# EAGLE board Mk4 Final a Panel score 2x5 (EAGLE 9.0.1), part 8 of 29
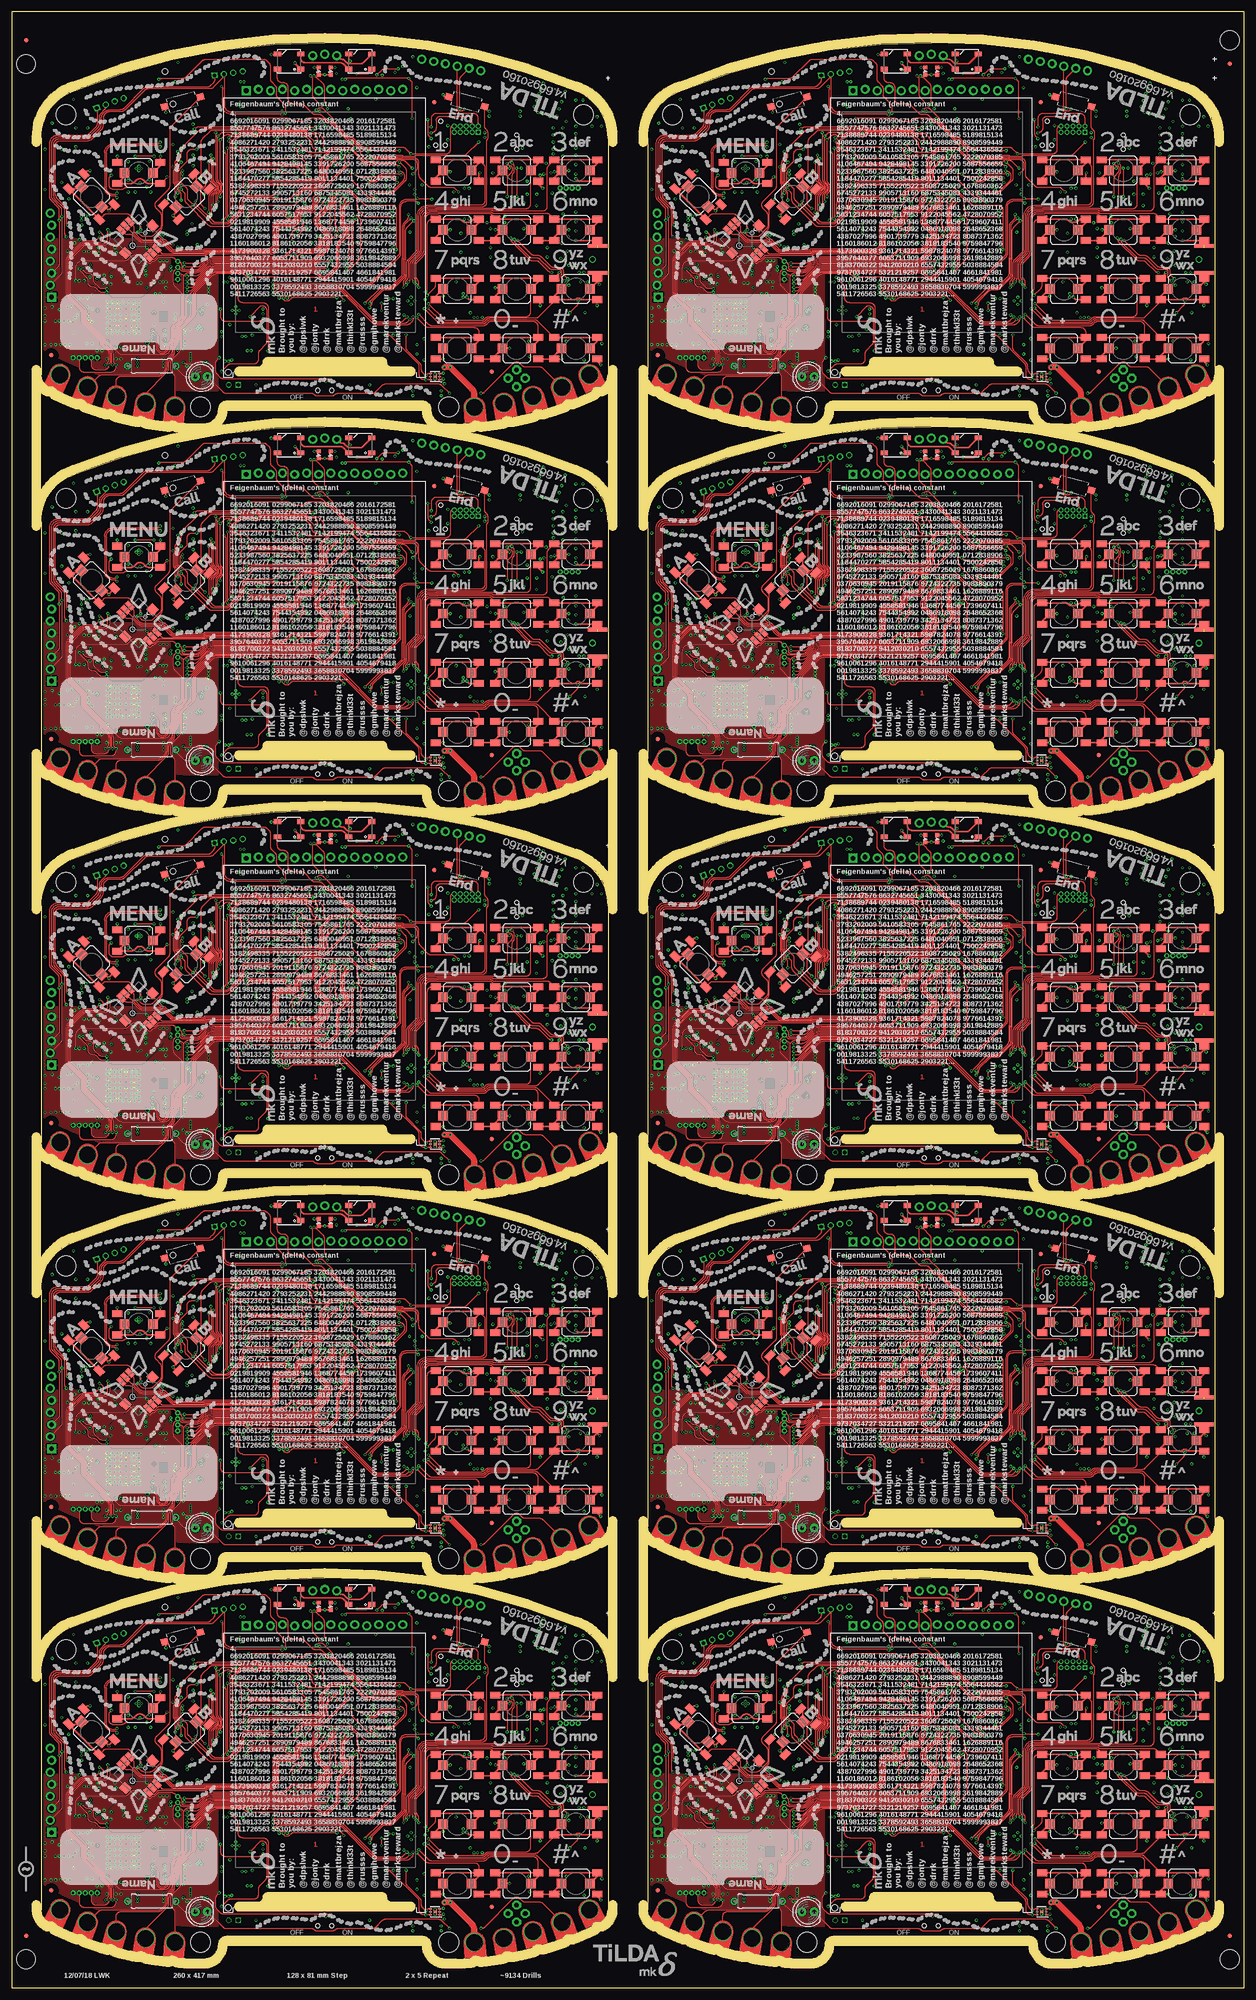
[diagram p0: board, top side]
## Tracks (layer width: path | path; a pad name or v marks a point on that pad's centre or on a via) (continued)
3V7  (via drill 0.3) (continued)
  Bottom 0.25: J61.41 58.25,287 | J61.40 58.75,286.29 arc45 58.6,286.65 58.25,287 | J61.42 57.75,286.29 arc-45 57.9,286.65 58.25,287 | J61.35 v61.25,284.5 | J61.1 v78.25,284.5 | J61.8 v74.75,287 | J61.7 75.25,286.5 v74.75,287 | J61.9 74.25,286.5 v74.75,287 | C663.2 69.25,291.12 C664.2 69.5,290.62 v69.5,289.75 | v56,301.1 C660.2 | v76.25,302.75 C659.2 | v65,312 C661.2 | R478.2 v65,315 | R479.2 v56,309.25 | C737.1 26.16,277.5 arc45 25.46,277.21 arc45 25.25,276.71 IC119.44 | IC119.39 22.75,278.55 C738.1 | IC119.37 21.75,278.35 C736.1 | C739.1 v22,265.25 22.46,265.71 arc45 22.75,266.41 IC119.10 | C740.1 v30,272.5 29.9,272.6 arc45 29.54,272.75 IC119.54 | IC121.21 C671.2 | v80,279.3 R542.2 | JP57.8 68.35,320.71 arc45 68.5,321.06 C653.2 | IC118.6 27.12,300.02 v27.05,299.95 C725.1
  Bottom 0.3: 27.22,276.75 26.75,276.28 | R541.2 v15.25,279.25 | JP55.1 91.63,311.63 v92,312 | IC117.14 100.81,308.44 R524.2 C712.2 v99.75,309.5 | IC112.8 75.35,295.15 C652.2 v75.25,296 | R484.1 v84,289.5 | C678.2 48.43,291.25 IC109.27 48.33,291.25 v47.25,291.25 | v38.25,303.5 arc-45 37.77,303.3 IC109.43 35.8,303.3 C674.2 | v38.25,308 38.15,308.1 IC109.49 35.85,308.1 C677.2 | v47.25,310.5 IC109.3 C672.2 | v47.25,312.25 47.4,312.1 IC109.1 49.65,312.1 C676.2 | v47.25,305.75 47.3,305.7 IC109.9 49.7,305.7 C673.2 | v47.25,301.75 47.3,301.7 IC109.14 49.7,301.7 C675.2 | C693.2 v32,283.5 | C693.2 32.75,284 v32.75,283.5 | C693.2 31.25,284 v31.25,283.5 | v85,298.5 R518.2 | C751.1 R528.1 | R494.2 R493.2 v51.3,297.75 | C736.1 v20.85,278.5 | C654.2 74.89,317.61 JP57.11 | v86.6,299.45 C711.2 86.03,299.73 IC116.8 | J66.7 J66.3 | J68.7 J68.3 | IC125.5 C755.1 v84.6,256
  Bottom 0.4: 27.22,276.75 28.19,276.75 arc45 28.89,277.04 C741.1 29.6,278.39 arc-45 29.75,278.75 v30,279 | v27.25,278.75 27.25,278.66 arc-45 26.96,277.96 26.7,277.7 C737.1 26.5,277.7 v26.5,278.75 | C738.1 23.1,278.7 v23.65,279.25 | v32.25,268.75 R536.2 | v32.25,266.75 R537.2 | v22,285.15 22.5,285.15 arc90 23.5,286.15 C726.2 23.5,286.53 arc45 23.21,287.24 IC120.8 | R535.2 v18.25,286.25 | v80.5,275.5 C671.2 | v34.95,264.6 R528.1 | C694.2 v26.5,262 | C694.2 27,262.75 v26.5,262.75 | C694.2 27,261.25 v26.5,261.25 | IC126.1 93.05,259 C756.1 91.96,259 arc45 91.26,258.71 v91.05,258.5 | TP130.TP 39.55,270.95 v39.55,269.65
  Bottom 0.5: C655.2 83.14,319 JP57.14
  other vias: 58.5,290.25 39.15,269.15 39.95,269.15 40.3,273.35 40,272.35 39.7,272.95
  pour 3V3@2 (isolate 0.254, rank 6): 6.2,311.5 6.2,258 arc31 38,249 40.7,249 arc90 43.5,251.8 arc-90 45.5,253.8 86.5,253.8 arc-90 88.5,251.8 arc90 91.3,249 94,249 arc31 125.8,258 125.8,281.5 119.5,281.5 119.5,311.5 125.8,311.5 arc64 119.25,319.25 arc24 66,329.5 arc24 12.75,319.25 arc55
  pour Bottom (no thermals): 58.25,289 58.25,290.3 58.45,290.5 58.8,290.5 59,290.3 59,288.75 58.5,288.25 58.5,286.75 58,286.75 58,288.75
  pour Bottom (no thermals): 42.3,264.65 40.75,264.65 40.35,265.05 arc45 39.99,265.2 38.85,265.2 38.85,272.39 arc-45 39,272.75 39.85,273.6 arc-45 40.21,273.75 40.25,273.75 arc-90 40.75,273.25 40.75,273.11 arc-45 40.6,272.75 40.45,272.6 arc45 40.3,272.24 40.3,266.4 arc90 40.8,265.9 41.8,265.9 arc-90 42.3,265.4
  pour Top: 30.35,283.85 28.65,282.15 arc-45 28.29,282 22.41,282 arc45 21.71,281.71 20.79,280.79 arc45 20.5,280.09 20.5,277 arc90 21.5,276 27.09,276 arc45 27.79,276.29 31.71,280.21 arc45 32,280.91 32,281.29 arc-45 32.15,281.65 33.35,282.85 arc45 33.5,283.21 33.5,283.5 arc90 33,284 30.71,284 arc45
3V8  (via drill 0.3)
  Top 0.2: IC142.1 218.69,258.35 arc45 v219.05,258.5
  Top 0.3: SW8.COM 157.58,285.17 v156.5,286.25
  Bottom 0.15: v208.5,267.75 C858.1 208,268.5 arc-90 207.5,269 207.5,269.16 arc-90 IC140.5
  Bottom 0.2: IC128.9 197,292.75 C771.2 | IC128.8 197.4,295.19 arc-45 197.55,295.55 v197.75,295.75 197.8,295.7 IC128.7 | IC128.16 194.2,293.01 arc45 194.35,292.65 C770.2 v194.5,291.75 | IC128.47 185.46,301.4 arc45 C768.2 | IC128.113 202.14,301.8 arc45 202.84,302.09 C767.2 | IC128.79 193.4,310.44 arc45 193.11,311.14 C769.2 | IC128.69 189.4,308.86 arc-45 v189.25,308.5 189.15,308.6 arc-45 189,308.96 IC128.68 | 154.75,276.28 IC137.47 | IC128.90 197.8,308.55 v197.75,308.5 | IC128.51 v185,303 185.11,303.11 arc-45 185.81,303.4 IC128.52 | IC128.39 v187.5,298.2 | IC128.28 189.4,293.35 arc90 v189.75,293 arc90 190.2,293.45 IC128.26 | R561.1 v201.5,294.5 | IC128.122 200.62,298.2 arc-45 v200.5,298.25 | v219.05,258.5 C860.1 | IC128.101 202.95,306.6 v203.1,306.45 | R574.2 v206.75,296 | R573.2 207.07,298.32 arc-45 v207.5,298.5 | R612.1 142.5,288.5 arc-45 v142.25,287.9
  Bottom 0.25: J71.41 186.25,287 | J71.40 186.75,286.29 arc45 186.6,286.65 186.25,287 | J71.42 185.75,286.29 arc-45 185.9,286.65 186.25,287 | J71.35 v189.25,284.5 | J71.1 v206.25,284.5 | J71.8 v202.75,287 | J71.7 203.25,286.5 v202.75,287 | J71.9 202.25,286.5 v202.75,287 | C771.2 197.25,291.12 C772.2 197.5,290.62 v197.5,289.75 | v184,301.1 C768.2 | v204.25,302.75 C767.2 | v193,312 C769.2 | R556.2 v193,315 | R557.2 v184,309.25 | C845.1 154.16,277.5 arc45 153.46,277.21 arc45 153.25,276.71 IC137.44 | IC137.39 150.75,278.55 C846.1 | IC137.37 149.75,278.35 C844.1 | C847.1 v150,265.25 150.46,265.71 arc45 150.75,266.41 IC137.10 | C848.1 v158,272.5 157.9,272.6 arc45 157.54,272.75 IC137.54 | IC139.21 C779.2 | v208,279.3 R620.2 | JP66.8 196.35,320.71 arc45 196.5,321.06 C761.2 | IC136.6 155.12,300.02 v155.05,299.95 C833.1
  Bottom 0.3: 155.22,276.75 154.75,276.28 | R619.2 v143.25,279.25 | JP64.1 219.63,311.63 v220,312 | IC135.14 228.81,308.44 R602.2 C820.2 v227.75,309.5 | IC130.8 203.35,295.15 C760.2 v203.25,296 | R562.1 v212,289.5 | C786.2 176.43,291.25 IC127.27 176.33,291.25 v175.25,291.25 | v166.25,303.5 arc-45 165.77,303.3 IC127.43 163.8,303.3 C782.2 | v166.25,308 166.15,308.1 IC127.49 163.85,308.1 C785.2 | v175.25,310.5 IC127.3 C780.2 | v175.25,312.25 175.4,312.1 IC127.1 177.65,312.1 C784.2 | v175.25,305.75 175.3,305.7 IC127.9 177.7,305.7 C781.2 | v175.25,301.75 175.3,301.7 IC127.14 177.7,301.7 C783.2 | C801.2 v160,283.5 | C801.2 160.75,284 v160.75,283.5 | C801.2 159.25,284 v159.25,283.5 | v213,298.5 R596.2 | C859.1 R606.1 | R572.2 R571.2 v179.3,297.75 | C844.1 v148.85,278.5 | C762.2 202.89,317.61 JP66.11 | v214.6,299.45 C819.2 214.03,299.73 IC134.8 | J76.7 J76.3 | J78.7 J78.3 | IC143.5 C863.1 v212.6,256
  Bottom 0.4: 155.22,276.75 156.19,276.75 arc45 156.89,277.04 C849.1 157.6,278.39 arc-45 157.75,278.75 v158,279 | v155.25,278.75 155.25,278.66 arc-45 154.96,277.96 154.7,277.7 C845.1 154.5,277.7 v154.5,278.75 | C846.1 151.1,278.7 v151.65,279.25 | v160.25,268.75 R614.2 | v160.25,266.75 R615.2 | v150,285.15 150.5,285.15 arc90 151.5,286.15 C834.2 151.5,286.53 arc45 151.21,287.24 IC138.8 | R613.2 v146.25,286.25 | v208.5,275.5 C779.2 | v162.95,264.6 R606.1 | C802.2 v154.5,262 | C802.2 155,262.75 v154.5,262.75 | C802.2 155,261.25 v154.5,261.25 | IC144.1 221.05,259 C864.1 219.96,259 arc45 219.26,258.71 v219.05,258.5 | TP149.TP 167.55,270.95 v167.55,269.65
  Bottom 0.5: C763.2 211.14,319 JP66.14
  other vias: 186.5,290.25 167.15,269.15 167.95,269.15 168.3,273.35 168,272.35 167.7,272.95
  pour 3V3@2 (isolate 0.254, rank 6): 134.2,311.5 134.2,258 arc31 166,249 168.7,249 arc90 171.5,251.8 arc-90 173.5,253.8 214.5,253.8 arc-90 216.5,251.8 arc90 219.3,249 222,249 arc31 253.8,258 253.8,281.5 247.5,281.5 247.5,311.5 253.8,311.5 arc64 247.25,319.25 arc24 194,329.5 arc24 140.75,319.25 arc55
  pour Bottom (no thermals): 186.25,289 186.25,290.3 186.45,290.5 186.8,290.5 187,290.3 187,288.75 186.5,288.25 186.5,286.75 186,286.75 186,288.75
  pour Bottom (no thermals): 170.3,264.65 168.75,264.65 168.35,265.05 arc45 167.99,265.2 166.85,265.2 166.85,272.39 arc-45 167,272.75 167.85,273.6 arc-45 168.21,273.75 168.25,273.75 arc-90 168.75,273.25 168.75,273.11 arc-45 168.6,272.75 168.45,272.6 arc45 168.3,272.24 168.3,266.4 arc90 168.8,265.9 169.8,265.9 arc-90 170.3,265.4
  pour Top: 158.35,283.85 156.65,282.15 arc-45 156.29,282 150.41,282 arc45 149.71,281.71 148.79,280.79 arc45 148.5,280.09 148.5,277 arc90 149.5,276 155.09,276 arc45 155.79,276.29 159.71,280.21 arc45 160,280.91 160,281.29 arc-45 160.15,281.65 161.35,282.85 arc45 161.5,283.21 161.5,283.5 arc90 161,284 158.71,284 arc45
3V9  (via drill 0.3)
  Top 0.2: IC160.1 90.69,339.35 arc45 v91.05,339.5
  Top 0.3: SW9.COM 29.58,366.17 v28.5,367.25
  Bottom 0.15: v80.5,348.75 C966.1 80,349.5 arc-90 79.5,350 79.5,350.16 arc-90 IC158.5
  Bottom 0.2: IC146.9 69,373.75 C879.2 | IC146.8 69.4,376.19 arc-45 69.55,376.55 v69.75,376.75 69.8,376.7 IC146.7 | IC146.16 66.2,374.01 arc45 66.35,373.65 C878.2 v66.5,372.75 | IC146.47 57.46,382.4 arc45 C876.2 | IC146.113 74.14,382.8 arc45 74.84,383.09 C875.2 | IC146.79 65.4,391.44 arc45 65.11,392.14 C877.2 | IC146.69 61.4,389.86 arc-45 v61.25,389.5 61.15,389.6 arc-45 61,389.96 IC146.68 | 26.75,357.28 IC155.47 | IC146.90 69.8,389.55 v69.75,389.5 | IC146.51 v57,384 57.11,384.11 arc-45 57.81,384.4 IC146.52 | IC146.39 v59.5,379.2 | IC146.28 61.4,374.35 arc90 v61.75,374 arc90 62.2,374.45 IC146.26 | R639.1 v73.5,375.5 | IC146.122 72.62,379.2 arc-45 v72.5,379.25 | v91.05,339.5 C968.1 | IC146.101 74.95,387.6 v75.1,387.45 | R652.2 v78.75,377 | R651.2 79.07,379.32 arc-45 v79.5,379.5 | R690.1 14.5,369.5 arc-45 v14.25,368.9
  Bottom 0.25: J81.41 58.25,368 | J81.40 58.75,367.29 arc45 58.6,367.65 58.25,368 | J81.42 57.75,367.29 arc-45 57.9,367.65 58.25,368 | J81.35 v61.25,365.5 | J81.1 v78.25,365.5 | J81.8 v74.75,368 | J81.7 75.25,367.5 v74.75,368 | J81.9 74.25,367.5 v74.75,368 | C879.2 69.25,372.12 C880.2 69.5,371.62 v69.5,370.75 | v56,382.1 C876.2 | v76.25,383.75 C875.2 | v65,393 C877.2 | R634.2 v65,396 | R635.2 v56,390.25 | C953.1 26.16,358.5 arc45 25.46,358.21 arc45 25.25,357.71 IC155.44 | IC155.39 22.75,359.55 C954.1 | IC155.37 21.75,359.35 C952.1 | C955.1 v22,346.25 22.46,346.71 arc45 22.75,347.41 IC155.10 | C956.1 v30,353.5 29.9,353.6 arc45 29.54,353.75 IC155.54 | IC157.21 C887.2 | v80,360.3 R698.2 | JP75.8 68.35,401.71 arc45 68.5,402.06 C869.2 | IC154.6 27.12,381.02 v27.05,380.95 C941.1
  Bottom 0.3: 27.22,357.75 26.75,357.28 | R697.2 v15.25,360.25 | JP73.1 91.63,392.63 v92,393 | IC153.14 100.81,389.44 R680.2 C928.2 v99.75,390.5 | IC148.8 75.35,376.15 C868.2 v75.25,377 | R640.1 v84,370.5 | C894.2 48.43,372.25 IC145.27 48.33,372.25 v47.25,372.25 | v38.25,384.5 arc-45 37.77,384.3 IC145.43 35.8,384.3 C890.2 | v38.25,389 38.15,389.1 IC145.49 35.85,389.1 C893.2 | v47.25,391.5 IC145.3 C888.2 | v47.25,393.25 47.4,393.1 IC145.1 49.65,393.1 C892.2 | v47.25,386.75 47.3,386.7 IC145.9 49.7,386.7 C889.2 | v47.25,382.75 47.3,382.7 IC145.14 49.7,382.7 C891.2 | C909.2 v32,364.5 | C909.2 32.75,365 v32.75,364.5 | C909.2 31.25,365 v31.25,364.5 | v85,379.5 R674.2 | C967.1 R684.1 | R650.2 R649.2 v51.3,378.75 | C952.1 v20.85,359.5 | C870.2 74.89,398.61 JP75.11 | v86.6,380.45 C927.2 86.03,380.73 IC152.8 | J86.7 J86.3 | J88.7 J88.3 | IC161.5 C971.1 v84.6,337
  Bottom 0.4: 27.22,357.75 28.19,357.75 arc45 28.89,358.04 C957.1 29.6,359.39 arc-45 29.75,359.75 v30,360 | v27.25,359.75 27.25,359.66 arc-45 26.96,358.96 26.7,358.7 C953.1 26.5,358.7 v26.5,359.75 | C954.1 23.1,359.7 v23.65,360.25 | v32.25,349.75 R692.2 | v32.25,347.75 R693.2 | v22,366.15 22.5,366.15 arc90 23.5,367.15 C942.2 23.5,367.53 arc45 23.21,368.24 IC156.8 | R691.2 v18.25,367.25 | v80.5,356.5 C887.2 | v34.95,345.6 R684.1 | C910.2 v26.5,343 | C910.2 27,343.75 v26.5,343.75 | C910.2 27,342.25 v26.5,342.25 | IC162.1 93.05,340 C972.1 91.96,340 arc45 91.26,339.71 v91.05,339.5 | TP168.TP 39.55,351.95 v39.55,350.65
  Bottom 0.5: C871.2 83.14,400 JP75.14
  other vias: 58.5,371.25 39.15,350.15 39.95,350.15 40.3,354.35 40,353.35 39.7,353.95
  pour 3V3@2 (isolate 0.254, rank 6): 6.2,392.5 6.2,339 arc31 38,330 40.7,330 arc90 43.5,332.8 arc-90 45.5,334.8 86.5,334.8 arc-90 88.5,332.8 arc90 91.3,330 94,330 arc31 125.8,339 125.8,362.5 119.5,362.5 119.5,392.5 125.8,392.5 arc64 119.25,400.25 arc24 66,410.5 arc24 12.75,400.25 arc55
  pour Bottom (no thermals): 58.25,370 58.25,371.3 58.45,371.5 58.8,371.5 59,371.3 59,369.75 58.5,369.25 58.5,367.75 58,367.75 58,369.75
  pour Bottom (no thermals): 42.3,345.65 40.75,345.65 40.35,346.05 arc45 39.99,346.2 38.85,346.2 38.85,353.39 arc-45 39,353.75 39.85,354.6 arc-45 40.21,354.75 40.25,354.75 arc-90 40.75,354.25 40.75,354.11 arc-45 40.6,353.75 40.45,353.6 arc45 40.3,353.24 40.3,347.4 arc90 40.8,346.9 41.8,346.9 arc-90 42.3,346.4
  pour Top: 30.35,364.85 28.65,363.15 arc-45 28.29,363 22.41,363 arc45 21.71,362.71 20.79,361.79 arc45 20.5,361.09 20.5,358 arc90 21.5,357 27.09,357 arc45 27.79,357.29 31.71,361.21 arc45 32,361.91 32,362.29 arc-45 32.15,362.65 33.35,363.85 arc45 33.5,364.21 33.5,364.5 arc90 33,365 30.71,365 arc45
3V10  (via drill 0.3)
  Top 0.2: IC178.1 218.69,339.35 arc45 v219.05,339.5
  Top 0.3: SW10.COM 157.58,366.17 v156.5,367.25
  Bottom 0.15: v208.5,348.75 C1074.1 208,349.5 arc-90 207.5,350 207.5,350.16 arc-90 IC176.5
  Bottom 0.2: IC164.9 197,373.75 C987.2 | IC164.8 197.4,376.19 arc-45 197.55,376.55 v197.75,376.75 197.8,376.7 IC164.7 | IC164.16 194.2,374.01 arc45 194.35,373.65 C986.2 v194.5,372.75 | IC164.47 185.46,382.4 arc45 C984.2 | IC164.113 202.14,382.8 arc45 202.84,383.09 C983.2 | IC164.79 193.4,391.44 arc45 193.11,392.14 C985.2 | IC164.69 189.4,389.86 arc-45 v189.25,389.5 189.15,389.6 arc-45 189,389.96 IC164.68 | 154.75,357.28 IC173.47 | IC164.90 197.8,389.55 v197.75,389.5 | IC164.51 v185,384 185.11,384.11 arc-45 185.81,384.4 IC164.52 | IC164.39 v187.5,379.2 | IC164.28 189.4,374.35 arc90 v189.75,374 arc90 190.2,374.45 IC164.26 | R717.1 v201.5,375.5 | IC164.122 200.62,379.2 arc-45 v200.5,379.25 | v219.05,339.5 C1076.1 | IC164.101 202.95,387.6 v203.1,387.45 | R730.2 v206.75,377 | R729.2 207.07,379.32 arc-45 v207.5,379.5 | R768.1 142.5,369.5 arc-45 v142.25,368.9
  Bottom 0.25: J91.41 186.25,368 | J91.40 186.75,367.29 arc45 186.6,367.65 186.25,368 | J91.42 185.75,367.29 arc-45 185.9,367.65 186.25,368 | J91.35 v189.25,365.5 | J91.1 v206.25,365.5 | J91.8 v202.75,368 | J91.7 203.25,367.5 v202.75,368 | J91.9 202.25,367.5 v202.75,368 | C987.2 197.25,372.12 C988.2 197.5,371.62 v197.5,370.75 | v184,382.1 C984.2 | v204.25,383.75 C983.2 | v193,393 C985.2 | R712.2 v193,396 | R713.2 v184,390.25 | C1061.1 154.16,358.5 arc45 153.46,358.21 arc45 153.25,357.71 IC173.44 | IC173.39 150.75,359.55 C1062.1 | IC173.37 149.75,359.35 C1060.1 | C1063.1 v150,346.25 150.46,346.71 arc45 150.75,347.41 IC173.10 | C1064.1 v158,353.5 157.9,353.6 arc45 157.54,353.75 IC173.54 | IC175.21 C995.2 | v208,360.3 R776.2 | JP84.8 196.35,401.71 arc45 196.5,402.06 C977.2 | IC172.6 155.12,381.02 v155.05,380.95 C1049.1
  Bottom 0.3: 155.22,357.75 154.75,357.28 | R775.2 v143.25,360.25 | JP82.1 219.63,392.63 v220,393 | IC171.14 228.81,389.44 R758.2 C1036.2 v227.75,390.5 | IC166.8 203.35,376.15 C976.2 v203.25,377 | R718.1 v212,370.5 | C1002.2 176.43,372.25 IC163.27 176.33,372.25 v175.25,372.25 | v166.25,384.5 arc-45 165.77,384.3 IC163.43 163.8,384.3 C998.2 | v166.25,389 166.15,389.1 IC163.49 163.85,389.1 C1001.2 | v175.25,391.5 IC163.3 C996.2 | v175.25,393.25 175.4,393.1 IC163.1 177.65,393.1 C1000.2 | v175.25,386.75 175.3,386.7 IC163.9 177.7,386.7 C997.2 | v175.25,382.75 175.3,382.7 IC163.14 177.7,382.7 C999.2 | C1017.2 v160,364.5 | C1017.2 160.75,365 v160.75,364.5 | C1017.2 159.25,365 v159.25,364.5 | v213,379.5 R752.2 | C1075.1 R762.1 | R728.2 R727.2 v179.3,378.75 | C1060.1 v148.85,359.5 | C978.2 202.89,398.61 JP84.11 | v214.6,380.45 C1035.2 214.03,380.73 IC170.8 | J96.7 J96.3 | J98.7 J98.3 | IC179.5 C1079.1 v212.6,337
  Bottom 0.4: 155.22,357.75 156.19,357.75 arc45 156.89,358.04 C1065.1 157.6,359.39 arc-45 157.75,359.75 v158,360 | v155.25,359.75 155.25,359.66 arc-45 154.96,358.96 154.7,358.7 C1061.1 154.5,358.7 v154.5,359.75 | C1062.1 151.1,359.7 v151.65,360.25 | v160.25,349.75 R770.2 | v160.25,347.75 R771.2 | v150,366.15 150.5,366.15 arc90 151.5,367.15 C1050.2 151.5,367.53 arc45 151.21,368.24 IC174.8 | R769.2 v146.25,367.25 | v208.5,356.5 C995.2 | v162.95,345.6 R762.1 | C1018.2 v154.5,343 | C1018.2 155,343.75 v154.5,343.75 | C1018.2 155,342.25 v154.5,342.25 | IC180.1 221.05,340 C1080.1 219.96,340 arc45 219.26,339.71 v219.05,339.5 | TP187.TP 167.55,351.95 v167.55,350.65
  Bottom 0.5: C979.2 211.14,400 JP84.14
  other vias: 186.5,371.25 167.15,350.15 167.95,350.15 168.3,354.35 168,353.35 167.7,353.95
  pour 3V3@2 (isolate 0.254, rank 6): 134.2,392.5 134.2,339 arc31 166,330 168.7,330 arc90 171.5,332.8 arc-90 173.5,334.8 214.5,334.8 arc-90 216.5,332.8 arc90 219.3,330 222,330 arc31 253.8,339 253.8,362.5 247.5,362.5 247.5,392.5 253.8,392.5 arc64 247.25,400.25 arc24 194,410.5 arc24 140.75,400.25 arc55
  pour Bottom (no thermals): 186.25,370 186.25,371.3 186.45,371.5 186.8,371.5 187,371.3 187,369.75 186.5,369.25 186.5,367.75 186,367.75 186,369.75
  pour Bottom (no thermals): 170.3,345.65 168.75,345.65 168.35,346.05 arc45 167.99,346.2 166.85,346.2 166.85,353.39 arc-45 167,353.75 167.85,354.6 arc-45 168.21,354.75 168.25,354.75 arc-90 168.75,354.25 168.75,354.11 arc-45 168.6,353.75 168.45,353.6 arc45 168.3,353.24 168.3,347.4 arc90 168.8,346.9 169.8,346.9 arc-90 170.3,346.4
  pour Top: 158.35,364.85 156.65,363.15 arc-45 156.29,363 150.41,363 arc45 149.71,362.71 148.79,361.79 arc45 148.5,361.09 148.5,358 arc90 149.5,357 155.09,357 arc45 155.79,357.29 159.71,361.21 arc45 160,361.91 160,362.29 arc-45 160.15,362.65 161.35,363.85 arc45 161.5,364.21 161.5,364.5 arc90 161,365 158.71,365 arc45
!HIB
  Bottom 0.2: IC1.65 59.8,67.24 arc45 59.65,67.6 59.6,67.65 arc90 58.9,67.65 58.4,67.15 TP1.TP
!HIB1
  Bottom 0.2: IC20.65 187.8,67.24 arc45 187.65,67.6 187.6,67.65 arc90 186.9,67.65 186.4,67.15 TP20.TP
!HIB2
  Bottom 0.2: IC38.65 59.8,148.24 arc45 59.65,148.6 59.6,148.65 arc90 58.9,148.65 58.4,148.15 TP39.TP
!HIB3
  Bottom 0.2: IC56.65 187.8,148.24 arc45 187.65,148.6 187.6,148.65 arc90 186.9,148.65 186.4,148.15 TP58.TP
!HIB4
  Bottom 0.2: IC74.65 59.8,229.24 arc45 59.65,229.6 59.6,229.65 arc90 58.9,229.65 58.4,229.15 TP77.TP
!HIB5
  Bottom 0.2: IC92.65 187.8,229.24 arc45 187.65,229.6 187.6,229.65 arc90 186.9,229.65 186.4,229.15 TP96.TP
!HIB6
  Bottom 0.2: IC110.65 59.8,310.24 arc45 59.65,310.6 59.6,310.65 arc90 58.9,310.65 58.4,310.15 TP115.TP
!HIB7
  Bottom 0.2: IC128.65 187.8,310.24 arc45 187.65,310.6 187.6,310.65 arc90 186.9,310.65 186.4,310.15 TP134.TP
!HIB8
  Bottom 0.2: IC146.65 59.8,391.24 arc45 59.65,391.6 59.6,391.65 arc90 58.9,391.65 58.4,391.15 TP153.TP
!HIB9
  Bottom 0.2: IC164.65 187.8,391.24 arc45 187.65,391.6 187.6,391.65 arc90 186.9,391.65 186.4,391.15 TP172.TP
!RESET  (via drill 0.3)
  Top 0.15: v83.7,50.2 83.7,49.81 arc-45 83.41,49.11 82.82,48.52 arc45 82.53,47.81 82.53,41.15 arc-45 82.5,41.08 82.43,41.01 arc45 82.4,40.94 82.4,37.76 arc-45 82.11,37.06 80.24,35.19 arc-45 79.54,34.9 78.31,34.9 arc45 77.61,34.61 v74.5,31.5
  Top 0.2: J3.10 92.84,68.84 arc45 92.6,68.27 92.6,64.05 arc-90 91.6,63.05 v84.2,63.05 83.19,64.06 arc45 82.49,64.35 74.46,64.35 arc-45 73.75,64.64 72.14,66.25 arc45 71.79,66.4 71.67,66.4 arc-45 70.96,66.69 68.02,69.63 arc-45 67.73,70.34 arc45 67.6,70.65 65.83,72.42 arc90 64.42,72.42 v64.25,72.25
  3V3@2 0.15: v84.2,63.05 84.2,60.8 82.62,59.23 82.62,58.38 82.5,58.26 82.5,52.65 83.7,51.45 v83.7,50.2
  Bottom 0.15: IC1.70 61.8,67.59 arc-45 61.95,67.95 62.25,68.25 arc-45 62.61,68.4 62.79,68.4 arc45 63.15,68.55 63.85,69.25 arc45 64,69.61 C15.2 | R4.1 64,71.79 arc-45 64.15,72.15 v64.25,72.25 | v74.5,31.5 74.5,25.82 arc45 75.01,24.59 80.09,19.51 arc45 81.33,19 84.45,19 arc-90 85.7,17.75 85.7,16.16 arc-45 85.41,15.46 84.41,14.46 arc-45 84.27,14.4 83.56,14.4 arc45 83.42,14.34 83.38,14.31 arc-45 83.24,14.25 S19.2
  Bottom 0.2: C15.2 R4.1
!RESET1  (via drill 0.3)
  Top 0.15: v211.7,50.2 211.7,49.81 arc-45 211.41,49.11 210.82,48.52 arc45 210.53,47.81 210.53,41.15 arc-45 210.5,41.08 210.43,41.01 arc45 210.4,40.94 210.4,37.76 arc-45 210.11,37.06 208.24,35.19 arc-45 207.54,34.9 206.31,34.9 arc45 205.61,34.61 v202.5,31.5
  Top 0.2: J13.10 220.84,68.84 arc45 220.6,68.27 220.6,64.05 arc-90 219.6,63.05 v212.2,63.05 211.19,64.06 arc45 210.49,64.35 202.46,64.35 arc-45 201.75,64.64 200.14,66.25 arc45 199.79,66.4 199.67,66.4 arc-45 198.96,66.69 196.02,69.63 arc-45 195.73,70.34 arc45 195.6,70.65 193.83,72.42 arc90 192.42,72.42 v192.25,72.25
  3V3@2 0.15: v212.2,63.05 212.2,60.8 210.62,59.23 210.62,58.38 210.5,58.26 210.5,52.65 211.7,51.45 v211.7,50.2
  Bottom 0.15: IC20.70 189.8,67.59 arc-45 189.95,67.95 190.25,68.25 arc-45 190.61,68.4 190.79,68.4 arc45 191.15,68.55 191.85,69.25 arc45 192,69.61 C125.2 | R88.1 192,71.79 arc-45 192.15,72.15 v192.25,72.25 | v202.5,31.5 202.5,25.82 arc45 203.01,24.59 208.09,19.51 arc45 209.32,19 212.45,19 arc-90 213.7,17.75 213.7,16.16 arc-45 213.41,15.46 212.41,14.46 arc-45 212.27,14.4 211.56,14.4 arc45 211.42,14.34 211.38,14.31 arc-45 211.24,14.25 S40.2
  Bottom 0.2: C125.2 R88.1
!RESET2  (via drill 0.3)
  Top 0.15: v83.7,131.2 83.7,130.81 arc-45 83.41,130.11 82.82,129.52 arc45 82.53,128.81 82.53,122.15 arc-45 82.5,122.08 82.43,122.01 arc45 82.4,121.94 82.4,118.76 arc-45 82.11,118.06 80.24,116.19 arc-45 79.54,115.9 78.31,115.9 arc45 77.61,115.61 v74.5,112.5
  Top 0.2: J23.10 92.84,149.84 arc45 92.6,149.27 92.6,145.05 arc-90 91.6,144.05 v84.2,144.05 83.19,145.06 arc45 82.49,145.35 74.46,145.35 arc-45 73.75,145.64 72.14,147.25 arc45 71.79,147.4 71.67,147.4 arc-45 70.96,147.69 68.02,150.63 arc-45 67.73,151.34 arc45 67.6,151.65 65.83,153.42 arc90 64.42,153.42 v64.25,153.25
  3V3@2 0.15: v84.2,144.05 84.2,141.8 82.62,140.22 82.62,139.38 82.5,139.26 82.5,133.65 83.7,132.45 v83.7,131.2
  Bottom 0.15: IC38.70 61.8,148.59 arc-45 61.95,148.95 62.25,149.25 arc-45 62.61,149.4 62.79,149.4 arc45 63.15,149.55 63.85,150.25 arc45 64,150.61 C233.2 | R166.1 64,152.79 arc-45 64.15,153.15 v64.25,153.25 | v74.5,112.5 74.5,106.83 arc45 75.01,105.59 80.09,100.51 arc45 81.33,100 84.45,100 arc-90 85.7,98.75 85.7,97.16 arc-45 85.41,96.46 84.41,95.46 arc-45 84.27,95.4 83.56,95.4 arc45 83.42,95.34 83.38,95.31 arc-45 83.24,95.25 S61.2
  Bottom 0.2: C233.2 R166.1
!RESET3  (via drill 0.3)
  Top 0.15: v211.7,131.2 211.7,130.81 arc-45 211.41,130.11 210.82,129.52 arc45 210.53,128.81 210.53,122.15 arc-45 210.5,122.08 210.43,122.01 arc45 210.4,121.94 210.4,118.76 arc-45 210.11,118.06 208.24,116.19 arc-45 207.54,115.9 206.31,115.9 arc45 205.61,115.61 v202.5,112.5
  Top 0.2: J33.10 220.84,149.84 arc45 220.6,149.27 220.6,145.05 arc-90 219.6,144.05 v212.2,144.05 211.19,145.06 arc45 210.49,145.35 202.46,145.35 arc-45 201.75,145.64 200.14,147.25 arc45 199.79,147.4 199.67,147.4 arc-45 198.96,147.69 196.02,150.63 arc-45 195.73,151.34 arc45 195.6,151.65 193.83,153.42 arc90 192.42,153.42 v192.25,153.25
  3V3@2 0.15: v212.2,144.05 212.2,141.8 210.62,140.22 210.62,139.38 210.5,139.26 210.5,133.65 211.7,132.45 v211.7,131.2
  Bottom 0.15: IC56.70 189.8,148.59 arc-45 189.95,148.95 190.25,149.25 arc-45 190.61,149.4 190.79,149.4 arc45 191.15,149.55 191.85,150.25 arc45 192,150.61 C341.2 | R244.1 192,152.79 arc-45 192.15,153.15 v192.25,153.25 | v202.5,112.5 202.5,106.83 arc45 203.01,105.59 208.09,100.51 arc45 209.32,100 212.45,100 arc-90 213.7,98.75 213.7,97.16 arc-45 213.41,96.46 212.41,95.46 arc-45 212.27,95.4 211.56,95.4 arc45 211.42,95.34 211.38,95.31 arc-45 211.24,95.25 S82.2
  Bottom 0.2: C341.2 R244.1
!RESET4  (via drill 0.3)
  Top 0.15: v83.7,212.2 83.7,211.81 arc-45 83.41,211.11 82.82,210.52 arc45 82.53,209.81 82.53,203.15 arc-45 82.5,203.08 82.43,203.01 arc45 82.4,202.94 82.4,199.76 arc-45 82.11,199.06 80.24,197.19 arc-45 79.54,196.9 78.31,196.9 arc45 77.61,196.61 v74.5,193.5
  Top 0.2: J43.10 92.84,230.84 arc45 92.6,230.27 92.6,226.05 arc-90 91.6,225.05 v84.2,225.05 83.19,226.06 arc45 82.49,226.35 74.46,226.35 arc-45 73.75,226.64 72.14,228.25 arc45 71.79,228.4 71.67,228.4 arc-45 70.96,228.69 68.02,231.63 arc-45 67.73,232.34 arc45 67.6,232.65 65.83,234.42 arc90 64.42,234.42 v64.25,234.25
  3V3@2 0.15: v84.2,225.05 84.2,222.8 82.62,221.22 82.62,220.38 82.5,220.26 82.5,214.65 83.7,213.45 v83.7,212.2
  Bottom 0.15: IC74.70 61.8,229.59 arc-45 61.95,229.95 62.25,230.25 arc-45 62.61,230.4 62.79,230.4 arc45 63.15,230.55 63.85,231.25 arc45 64,231.61 C449.2 | R322.1 64,233.79 arc-45 64.15,234.15 v64.25,234.25 | v74.5,193.5 74.5,187.82 arc45 75.01,186.59 80.09,181.51 arc45 81.33,181 84.45,181 arc-90 85.7,179.75 85.7,178.16 arc-45 85.41,177.46 84.41,176.46 arc-45 84.27,176.4 83.56,176.4 arc45 83.42,176.34 83.38,176.31 arc-45 83.24,176.25 S103.2
  Bottom 0.2: C449.2 R322.1
!RESET5  (via drill 0.3)
  Top 0.15: v211.7,212.2 211.7,211.81 arc-45 211.41,211.11 210.82,210.52 arc45 210.53,209.81 210.53,203.15 arc-45 210.5,203.08 210.43,203.01 arc45 210.4,202.94 210.4,199.76 arc-45 210.11,199.06 208.24,197.19 arc-45 207.54,196.9 206.31,196.9 arc45 205.61,196.61 v202.5,193.5
  Top 0.2: J53.10 220.84,230.84 arc45 220.6,230.27 220.6,226.05 arc-90 219.6,225.05 v212.2,225.05 211.19,226.06 arc45 210.49,226.35 202.46,226.35 arc-45 201.75,226.64 200.14,228.25 arc45 199.79,228.4 199.67,228.4 arc-45 198.96,228.69 196.02,231.63 arc-45 195.73,232.34 arc45 195.6,232.65 193.83,234.42 arc90 192.42,234.42 v192.25,234.25